# Allegro board SDHCalFEB20180110.brd (continued)
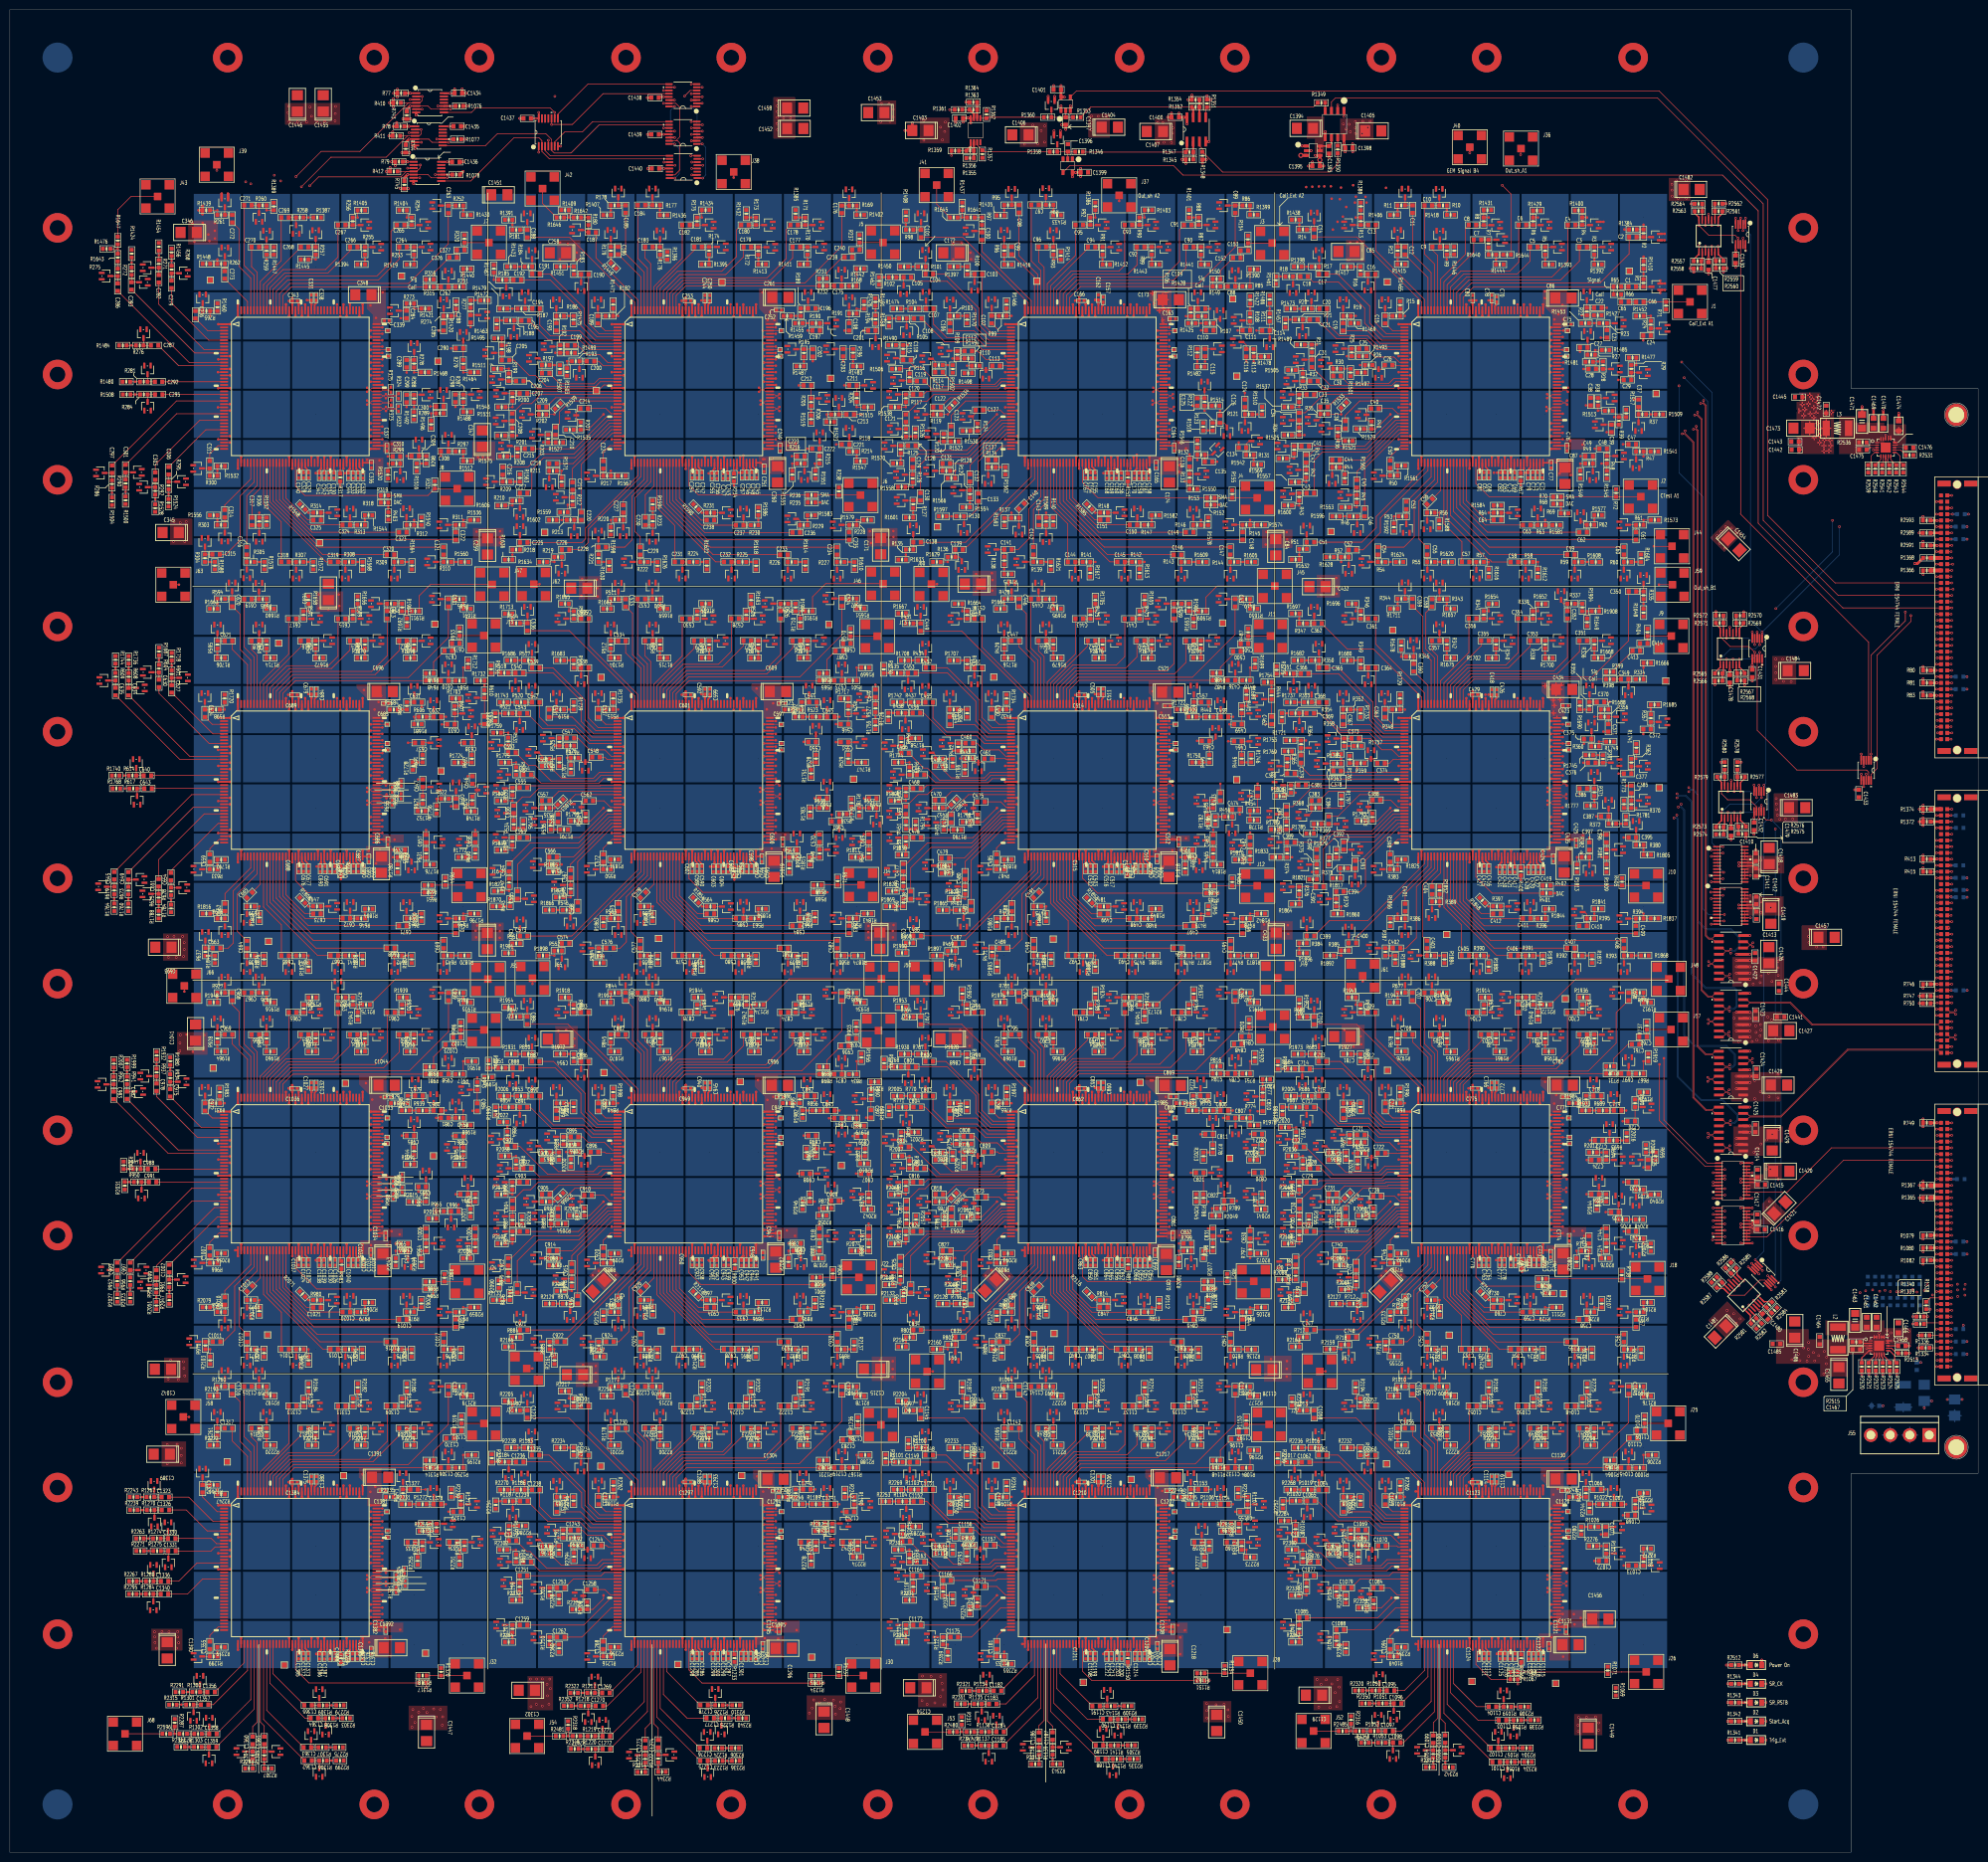
[diagram p0: board, top side]
## Routing (per net, layer and track width the routed paths; a pad name or vN(x,y) marks a point on that pad's centre or on a via; arc(x,y) is an arc through that point) (continued)
  GND3 w0.127: v3(172.2,142.2) v2(172.2,141.46)
GEM_OUT_K30: length 3.4
  TOP w0.127: R2034.2 111.66,142.2 v1(110.73,142.2) 109.78,142.2 R863.1
  GND1 w0.127: v2(111.46,142.2) v1(110.73,142.2)
  GND3 w0.127: v3(112.2,142.2) v2(111.46,142.2)
GEM_OUT_K31: length 45.6
  TOP w0.127: R2022.2 101.15,147.44 v1(101.17,147.42) R864.1
  GND1 w0.127: v2(101.17,146.69) v1(101.17,147.42)
  SIG3 w0.127: v2(101.17,146.69) 118.9,146.69 122.81,142.77 133.55,142.77 134.13,142.2 v2(141.46,142.2)
  GND3 w0.127: v3(142.2,142.2) v2(141.46,142.2)
GEM_OUT_K32: length 3.9
  TOP w0.127: R2038.2 101.46,141.46 v1(102.94,141.46) 102.94,140.51 R865.1
  GND1 w0.127: v2(102.2,141.46) v1(102.94,141.46)
  GND3 w0.127: v3(102.2,142.2) v2(102.2,141.46)
GEM_OUT_K33: length 3.9
  TOP w0.127: R2070.2 100.71,133.67 v1(102.2,133.67) 102.2,134.61 R866.1
  GND1 w0.127: v2(102.2,132.94) v1(102.2,133.67)
  GND3 w0.127: v3(102.2,132.2) v2(102.2,132.94)
GEM_OUT_K34: length 32.8
  TOP w0.127: R867.1 v1(103.17,127.69) 104.14,127.69 R2058.2
  GND1 w0.127: v1(103.17,127.69) v2(103.91,127.69)
  SIG3 w0.127: v2(131.46,132.2) 124.05,132.2 119.54,127.69 v2(103.91,127.69)
  GND3 w0.127: v3(132.2,132.2) v2(131.46,132.2)
GEM_OUT_K35: length 3.4
  TOP w0.127: R868.1 109.78,132.2 v1(110.73,132.2) 110.74,132.2 R2066.2
  GND1 w0.127: v2(111.46,132.2) v1(110.73,132.2)
  GND3 w0.127: v3(112.2,132.2) v2(111.46,132.2)
GEM_OUT_K36: length 36.9
  TOP w0.127: R2054.2 109.99,127.71 R869.1 v1(109.98,126.75)
  GND1 w0.127: v2(110.72,126.75) v1(109.98,126.75)
  SIG3 w0.127: v2(110.72,126.75) 120.3,126.75 123.65,130.1 139.36,130.1 v2(141.46,132.2)
  GND3 w0.127: v3(142.2,132.2) v2(141.46,132.2)
GEM_OUT_K37: length 4
  TOP w0.127: R2042.2 173.67,130.68 v1(173.67,132.2) 174.64,132.2 R870.1
  GND1 w0.127: v2(172.94,132.2) v1(173.67,132.2)
  GND3 w0.127: v3(172.2,132.2) v2(172.94,132.2)
GEM_OUT_K38: length 4
  TOP w0.127: v1(163.67,132.2) 162.7,132.2 R871.1 R2046.2
  GND1 w0.127: v2(162.94,132.2) v1(163.67,132.2)
  GND3 w0.127: v3(162.2,132.2) v2(162.94,132.2)
GEM_OUT_K39: length 17.3
  TOP w0.127: R872.1 v1(164.54,130.89) 164.54,129.39 R2050.2
  GND1 w0.127: v1(164.54,130.89) v2(164.54,131.62)
  SIG3 w0.127: v2(151.46,132.2) 154.26,132.2 154.84,131.62 v2(164.54,131.62)
  GND3 w0.127: v3(152.2,132.2) v2(151.46,132.2)
GEM_OUT_K40: length 6.6
  TOP w0.127: v1(120.73,132.2) 117.9,129.37 R873.1
  GND1 w0.127: v2(121.46,132.2) v1(120.73,132.2)
  GND3 w0.127: v3(122.2,132.2) v2(121.46,132.2)
GEM_OUT_K41: length 3.9
  TOP w0.127: R874.1 102.2,124.61 v1(102.2,123.67) 100.72,123.67 R2102.2
  GND1 w0.127: v2(102.2,122.94) v1(102.2,123.67)
  GND3 w0.127: v3(102.2,122.2) v2(102.2,122.94)
GEM_OUT_K42: length 36.6
  TOP w0.127: R2090.2 99.45,116.18 v1(100.41,116.18) R875.1
  GND1 w0.127: v2(101.14,116.18) v1(100.41,116.18)
  SIG3 w0.127: v2(132.2,121.46) 126.92,116.18 v2(101.14,116.18)
  GND3 w0.127: v3(132.2,122.2) v2(132.2,121.46)
GEM_OUT_K43: length 3.4
  TOP w0.127: R876.1 101.66,112.2 v1(100.73,112.2) 99.78,112.2 R2133.2
  GND1 w0.127: v2(101.46,112.2) v1(100.73,112.2)
  GND3 w0.127: v3(102.2,112.2) v2(101.46,112.2)
GEM_OUT_K44: length 3.9
  TOP w0.127: v1(112.2,120.73) 111.24,120.73 R877.1 111.23,119.24 R2098.2
  GND1 w0.127: v2(112.2,121.46) v1(112.2,120.73)
  GND3 w0.127: v3(112.2,122.2) v2(112.2,121.46)
GEM_OUT_K45: length 34.6
  TOP w0.127: R878.1 v1(114.27,114.05) 112.79,114.05 R2086.2
  GND1 w0.127: v2(114.27,114.78) v1(114.27,114.05)
  SIG3 w0.127: v2(114.27,114.78) 135.52,114.78 v2(142.2,121.46)
  GND3 w0.127: v3(142.2,122.2) v2(142.2,121.46)
GEM_OUT_K46: length 3.4
  TOP w0.127: R879.1 v1(111.46,111.46) 110.5,111.46 R2129.2
  GND1 w0.127: v2(112.2,111.46) v1(111.46,111.46)
  GND3 w0.127: v3(112.2,112.2) v2(112.2,111.46)
GEM_OUT_K47: length 3.4
  TOP w0.127: R2074.2 172.71,122.2 v1(173.67,122.2) 174.64,122.2 R880.1
  GND1 w0.127: v2(172.94,122.2) v1(173.67,122.2)
  GND3 w0.127: v3(172.2,122.2) v2(172.94,122.2)
GEM_OUT_K48: length 3.9
  TOP w0.127: R881.1 v1(163.67,122.2) 163.67,120.7 R2078.2
  GND1 w0.127: v2(162.94,122.2) v1(163.67,122.2)
  GND3 w0.127: v3(162.2,122.2) v2(162.94,122.2)
GEM_OUT_K49: length 8.6
  TOP w0.127: R882.1 159.3,122.2 v1(158.34,122.2) 158.34,120.71 R2082.2
  GND1 w0.127: v2(157.61,122.2) v1(158.34,122.2)
  SIG3 w0.127: v2(152.94,122.2) v2(157.61,122.2)
  GND3 w0.127: v3(152.2,122.2) v2(152.94,122.2)
GEM_OUT_K50: length 3.4
  TOP w0.127: R883.1 v1(122.2,120.73) 122.2,121.67 R2094.2
  GND1 w0.127: v2(122.2,121.46) v1(122.2,120.73)
  GND3 w0.127: v3(122.2,122.2) v2(122.2,121.46)
GEM_OUT_K51: length 3.4
  TOP w0.127: R2165.2 102.2,102.72 v1(102.2,103.67) 102.2,104.62 R884.1
  GND1 w0.127: v2(102.2,102.94) v1(102.2,103.67)
  GND3 w0.127: v3(102.2,102.2) v2(102.2,102.94)
GEM_OUT_K52: length 3.9
  TOP w0.127: R885.1 109.78,102.2 v1(110.73,102.2) 110.73,100.73 R2161.2
  GND1 w0.127: v2(111.46,102.2) v1(110.73,102.2)
  GND3 w0.127: v3(112.2,102.2) v2(111.46,102.2)
GEM_OUT_K53: length 3.9
  TOP w0.127: R2125.2 120.7,109.76 R886.1 v1(122.2,110.73)
  GND1 w0.127: v2(122.2,111.46) v1(122.2,110.73)
  GND3 w0.127: v3(122.2,112.2) v2(122.2,111.46)
GEM_OUT_K54: length 3.9
  TOP w0.127: R2157.2 120.73,100.72 v1(120.73,102.2) 119.76,102.2 R887.1
  GND1 w0.127: v2(121.46,102.2) v1(120.73,102.2)
  GND3 w0.127: v3(122.2,102.2) v2(121.46,102.2)
GEM_OUT_K55: length 3.4
  TOP w0.127: R2153.2 131.69,102.2 v1(130.73,102.2) 129.77,102.2 R888.1
  GND1 w0.127: v2(131.46,102.2) v1(130.73,102.2)
  GND3 w0.127: v3(132.2,102.2) v2(131.46,102.2)
GEM_OUT_K56: length 3.9
  TOP w0.127: R2121.2 130.73,110.73 v1(130.73,112.2) 129.78,112.2 R889.1
  GND1 w0.127: v2(131.46,112.2) v1(130.73,112.2)
  GND3 w0.127: v3(132.2,112.2) v2(131.46,112.2)
GEM_OUT_K57: length 3.9
  TOP w0.127: R890.1 v1(140.73,102.2) 140.73,100.73 R2149.2
  GND1 w0.127: v2(141.46,102.2) v1(140.73,102.2)
  GND3 w0.127: v3(142.2,102.2) v2(141.46,102.2)
GEM_OUT_K58: length 3.4
  TOP w0.127: R2145.2 151.68,102.2 v1(150.73,102.2) R891.1
  GND1 w0.127: v2(151.46,102.2) v1(150.73,102.2)
  GND3 w0.127: v3(152.2,102.2) v2(151.46,102.2)
GEM_OUT_K59: length 3.4
  TOP w0.127: R892.1 v1(160.73,102.2) 161.69,102.2 R2141.2
  GND1 w0.127: v2(161.46,102.2) v1(160.73,102.2)
  GND3 w0.127: v3(162.2,102.2) v2(161.46,102.2)
GEM_OUT_K60: length 3.4
  TOP w0.127: R2137.2 v1(170.73,102.2) R893.1
  GND1 w0.127: v2(171.46,102.2) v1(170.73,102.2)
  GND3 w0.127: v3(172.2,102.2) v2(171.46,102.2)
GEM_OUT_K61: length 3.9
  TOP w0.127: R894.1 172.2,109.78 v1(172.2,110.73) 173.66,110.73 R2106.2
  GND1 w0.127: v2(172.2,111.46) v1(172.2,110.73)
  GND3 w0.127: v3(172.2,112.2) v2(172.2,111.46)
GEM_OUT_K62: length 3.9
  TOP w0.127: R895.1 162.2,109.77 v1(162.2,110.73) 163.7,110.73 R2109.2
  GND1 w0.127: v2(162.2,111.46) v1(162.2,110.73)
  GND3 w0.127: v3(162.2,112.2) v2(162.2,111.46)
GEM_OUT_K63: length 3.4
  TOP w0.127: R896.1 152.2,109.77 v1(152.2,110.73) 152.2,111.69 R2113.2
  GND1 w0.127: v2(152.2,111.46) v1(152.2,110.73)
  GND3 w0.127: v3(152.2,112.2) v2(152.2,111.46)
GEM_OUT_K64: length 3.4
  TOP w0.127: R897.1 v1(140.73,112.2) 140.73,112.21 R2117.2
  GND1 w0.127: v2(141.46,112.2) v1(140.73,112.2)
  GND3 w0.127: v3(142.2,112.2) v2(141.46,112.2)
GEM_OUT_L1: length 5.1
  TOP w0.127: R917.1 92.2,158.12 v1(92.2,160.73) 93.16,160.73 R1951.2
  GND1 w0.127: v2(92.2,161.46) v1(92.2,160.73)
  GND3 w0.127: v3(92.2,162.2) v2(92.2,161.46)
GEM_OUT_L2: length 3.4
  TOP w0.127: R918.1 92.2,174.61 v1(92.2,173.67) 92.2,172.7 R1935.2
  GND1 w0.127: v2(92.2,172.94) v1(92.2,173.67)
  GND3 w0.127: v3(92.2,172.2) v2(92.2,172.94)
GEM_OUT_L3: length 3.4
  TOP w0.127: R1955.2 82.2,162.72 v1(82.2,163.67) 82.2,164.62 R919.1
  GND1 w0.127: v2(82.2,162.94) v1(82.2,163.67)
  GND3 w0.127: v3(82.2,162.2) v2(82.2,162.94)
GEM_OUT_L4: length 4
  TOP w0.127: R920.1 79.76,172.2 v1(80.73,172.2) 80.73,173.71 R1939.2
  GND1 w0.127: v2(81.46,172.2) v1(80.73,172.2)
  GND3 w0.127: v3(82.2,172.2) v2(81.46,172.2)
GEM_OUT_L5: length 3.4
  TOP w0.127: R921.1 72.2,164.61 v1(72.2,163.67) 72.2,162.72 R1921.2
  GND1 w0.127: v2(72.2,162.94) v1(72.2,163.67)
  GND3 w0.127: v3(72.2,162.2) v2(72.2,162.94)
GEM_OUT_L6: length 1.5
  TOP w0.127: R2171.1 R922.1
GEM_OUT_L7: length 3.4
  TOP w0.127: R923.1 62.2,164.65 v1(62.2,163.67) 62.2,162.73 R1977.2
  GND1 w0.127: v2(62.2,162.94) v1(62.2,163.67)
  GND3 w0.127: v3(62.2,162.2) v2(62.2,162.94)
GEM_OUT_L8: length 3.9
  TOP w0.127: R924.1 59.77,172.2 v1(60.73,172.2) 60.73,173.71 R1925.2
  GND1 w0.127: v2(61.46,172.2) v1(60.73,172.2)
  GND3 w0.127: v3(62.2,172.2) v2(61.46,172.2)
GEM_OUT_L9: length 3.4
  TOP w0.127: R1960.2 52.2,162.72 v1(52.2,163.67) 52.2,164.62 R925.1
  GND1 w0.127: v2(52.2,162.94) v1(52.2,163.67)
  GND3 w0.127: v3(52.2,162.2) v2(52.2,162.94)
GEM_OUT_L10: length 3.4
  TOP w0.127: R926.1 52.2,174.64 v1(52.2,173.67) 52.2,172.7 R1916.2
  GND1 w0.127: v2(52.2,172.94) v1(52.2,173.67)
  GND3 w0.127: v3(52.2,172.2) v2(52.2,172.94)
GEM_OUT_L11: length 3.4
  TOP w0.127: R927.1 42.2,174.62 v1(42.2,173.67) 42.2,172.71 R1948.2
  GND1 w0.127: v2(42.2,172.94) v1(42.2,173.67)
  GND3 w0.127: v3(42.2,172.2) v2(42.2,172.94)
GEM_OUT_L12: length 3.4
  TOP w0.127: R1964.2 42.2,162.71 v1(42.2,163.67) 42.2,164.61 R928.1
  GND1 w0.127: v2(42.2,162.94) v1(42.2,163.67)
  GND3 w0.127: v3(42.2,162.2) v2(42.2,162.94)
GEM_OUT_L15: length 3.9
  TOP w0.127: R1983.2 42.7,152.21 R931.1 42.72,152.2 v1(43.67,152.2)
  GND1 w0.127: v2(42.94,152.2) v1(43.67,152.2)
  GND3 w0.127: v3(42.2,152.2) v2(42.94,152.2)
GEM_OUT_L18: length 25.2
  TOP w0.127: R1980.2 32.61,159.98 v1(32.61,159.03) R934.1
  GND1 w0.127: v2(32.61,158.29) v1(32.61,159.03)
  SIG3 w0.127: v2(32.61,158.29) 37.97,152.94 v2(52.2,152.94)
  GND3 w0.127: v3(52.2,152.2) v2(52.2,152.94)
GEM_OUT_L21: length 39
  TOP w0.127: R1932.2 v1(29.84,160.17) R937.1
  GND1 w0.127: v2(29.84,159.44) v1(29.84,160.17)
  SIG3 w0.127: v2(29.84,159.44) 37.82,151.46 v2(62.2,151.46)
  GND3 w0.127: v3(62.2,152.2) v2(62.2,151.46)
GEM_OUT_L22: length 9.7
  TOP w0.127: R1929.2 79.02,152.2 v1(79.96,152.2) 80.92,152.2 R938.1
  GND1 w0.127: v2(79.22,152.2) v1(79.96,152.2)
  SIG3 w0.127: v2(72.94,152.2) v2(79.22,152.2)
  GND3 w0.127: v3(72.2,152.2) v2(72.94,152.2)
GEM_OUT_L23: length 3.4
  TOP w0.127: R1971.2 81.24,150.73 v1(82.2,150.73) 83.16,150.73 R939.1
  GND1 w0.127: v2(82.2,151.46) v1(82.2,150.73)
  GND3 w0.127: v3(82.2,152.2) v2(82.2,151.46)
GEM_OUT_L24: length 4.5
  TOP w0.127: R1968.2 92.19,147.72 R940.1 92.19,149.82 92.2,149.83 v1(92.2,150.73)
  GND1 w0.127: v2(92.2,151.46) v1(92.2,150.73)
  GND3 w0.127: v3(92.2,152.2) v2(92.2,151.46)
GEM_OUT_L25: length 47.5
  TOP w0.127: R941.1 v1(23.83,158.55) 23.83,159.5 R1999.2
  GND1 w0.127: v2(23.83,157.81) v1(23.83,158.55)
  SIG3 w0.127: v2(60.97,142.2) 54.9,142.2 54.33,142.78 38.86,142.78 v2(23.83,157.81)
  GND3 w0.127: v3(62.2,142.2) v2(60.97,142.2)
GEM_OUT_L26: length 30.2
  TOP w0.127: R942.1 v1(21.13,158.52) 21.13,159.47 R2007.2
  GND1 w0.127: v2(21.13,157.78) v1(21.13,158.52)
  SIG3 w0.127: v2(21.13,157.78) 36.72,142.2 v2(41.46,142.2)
  GND3 w0.127: v3(42.2,142.2) v2(41.46,142.2)
GEM_OUT_L27: length 35.7
  TOP w0.127: R943.1 v1(95.05,157.45)
  GND1 w0.127: v1(95.05,157.45) v2(95.05,156.72)
  SIG3 w0.127: v2(95.05,156.72) 95.05,150.52 91.19,146.66 88.54,146.66 85.85,143.97 74.47,143.97 72.71,142.2 v2(71.46,142.2)
  GND3 w0.127: v3(72.2,142.2) v2(71.46,142.2)
GEM_OUT_L28: length 3.4
  TOP w0.127: R944.1 82.2,141.68 v1(82.2,140.73) 82.2,139.78 R1991.2
  GND1 w0.127: v2(82.2,141.46) v1(82.2,140.73)
  GND3 w0.127: v3(82.2,142.2) v2(82.2,141.46)
GEM_OUT_L29: length 3.4
  TOP w0.127: R1987.2 92.2,139.77 v1(92.2,140.73) 92.2,141.69 R945.1
  GND1 w0.127: v2(92.2,141.46) v1(92.2,140.73)
  GND3 w0.127: v3(92.2,142.2) v2(92.2,141.46)
GEM_OUT_L31: length 31.4
  TOP w0.127: R947.1 v1(24.1,138.84) 23.15,138.84 R2003.2
  GND1 w0.127: v2(24.84,138.84) v1(24.1,138.84)
  SIG3 w0.127: v2(24.84,138.84) 39.62,138.84 42.99,142.2 v2(51.46,142.2)
  GND3 w0.127: v3(52.2,142.2) v2(51.46,142.2)
GEM_OUT_L34: length 21.4
  TOP w0.127: R950.1 v1(24.31,136.19) 23.37,136.19 R2031.2
  GND1 w0.127: v2(25.04,136.19) v1(24.31,136.19)
  SIG3 w0.127: v2(25.04,136.19) 29.04,132.2 v2(41.24,132.2)
  GND3 w0.127: v3(42.2,132.2) v2(41.24,132.2)
GEM_OUT_L36: length 40.5
  TOP w0.127: R2027.2 21.84,113.37 v1(21.84,114.33) R952.1
  GND1 w0.127: v2(21.84,115.06) v1(21.84,114.33)
  SIG3 w0.127: v2(21.84,115.06) 38.25,131.46 v2(52.2,131.46)
  GND3 w0.127: v3(52.2,132.2) v2(52.2,131.46)
GEM_OUT_L37: length 4
  TOP w0.127: R2011.2 93.67,130.69 v1(93.67,132.2) 94.63,132.2 R953.1
  GND1 w0.127: v2(92.94,132.2) v1(93.67,132.2)
  GND3 w0.127: v3(92.2,132.2) v2(92.94,132.2)
GEM_OUT_L38: length 3.4
  TOP w0.127: R2015.2 82.73,132.2 v1(83.67,132.2) 84.62,132.2 R954.1
  GND1 w0.127: v2(82.94,132.2) v1(83.67,132.2)
  GND3 w0.127: v3(82.2,132.2) v2(82.94,132.2)
GEM_OUT_L39: length 19.1
  TOP w0.127: R2019.2 86.7,130.25 R955.1 v1(86.69,131.6)
  GND1 w0.127: v2(85.95,131.6) v1(86.69,131.6)
  SIG3 w0.127: v2(71.46,132.2) 72.07,131.6 v2(85.95,131.6)
  GND3 w0.127: v3(72.2,132.2) v2(71.46,132.2)
GEM_OUT_L40: length 47.9
  TOP w0.127: R956.1 v1(24.48,114.33) 24.48,113.37 R2023.2
  GND1 w0.127: v2(24.48,115.06) v1(24.48,114.33)
  SIG3 w0.127: v2(62.2,131.46) 60.1,129.36 38.78,129.36 v2(24.48,115.06)
  GND3 w0.127: v3(62.2,132.2) v2(62.2,131.46)
GEM_OUT_L42: length 28.6
  TOP w0.127: R2051.2 29.79,111.85 v1(29.79,112.8) R958.1
  GND1 w0.127: v2(29.79,113.54) v1(29.79,112.8)
  SIG3 w0.127: v2(51.46,122.2) 38.45,122.2 v2(29.79,113.54)
  GND3 w0.127: v3(52.2,122.2) v2(51.46,122.2)
GEM_OUT_L45: length 36
  TOP w0.127: R2047.2 32.43,112.94 v1(32.43,113.89) R961.1
  GND1 w0.127: v2(32.43,114.63) v1(32.43,113.89)
  SIG3 w0.127: v2(62.2,121.46) 55.37,114.63 v2(32.43,114.63)
  GND3 w0.127: v3(62.2,122.2) v2(62.2,121.46)
GEM_OUT_L47: length 3.9
  TOP w0.127: R963.1 v1(93.67,122.2) 93.67,120.72 R2035.2
  GND1 w0.127: v2(92.94,122.2) v1(93.67,122.2)
  GND3 w0.127: v3(92.2,122.2) v2(92.94,122.2)
GEM_OUT_L48: length 3.9
  TOP w0.127: R964.1 84.65,122.2 v1(83.67,122.2) 83.67,120.72 R2039.2
  GND1 w0.127: v2(82.94,122.2) v1(83.67,122.2)
  GND3 w0.127: v3(82.2,122.2) v2(82.94,122.2)
GEM_OUT_L49: length 8.7
  TOP w0.127: R965.1 79.42,122.2 v1(78.46,122.2) 78.46,120.71 R2043.2
  GND1 w0.127: v2(77.72,122.2) v1(78.46,122.2)
  SIG3 w0.127: v2(72.94,122.2) v2(77.72,122.2)
  GND3 w0.127: v3(72.2,122.2) v2(72.94,122.2)
GEM_OUT_L50: length 3.4
  TOP w0.127: R2055.2 42.2,121.68 v1(42.2,120.73) 42.2,119.76 R966.1
  GND1 w0.127: v2(42.2,121.46) v1(42.2,120.73)
  GND3 w0.127: v3(42.2,122.2) v2(42.2,121.46)
GEM_OUT_L53: length 3.9
  TOP w0.127: R2079.2 40.7,110.73 v1(42.2,110.73) 42.2,109.77 R969.1
  GND1 w0.127: v2(42.2,111.46) v1(42.2,110.73)
  GND3 w0.127: v3(42.2,112.2) v2(42.2,111.46)
GEM_OUT_L54: length 3.9
  TOP w0.127: R2103.2 40.73,100.73 v1(40.73,102.2) 39.78,102.2 R970.1
  GND1 w0.127: v2(41.46,102.2) v1(40.73,102.2)
  GND3 w0.127: v3(42.2,102.2) v2(41.46,102.2)
GEM_OUT_L55: length 3.4
  TOP w0.127: R971.1 49.76,102.2 v1(50.73,102.2) 51.68,102.2 R2099.2
  GND1 w0.127: v2(51.46,102.2) v1(50.73,102.2)
  GND3 w0.127: v3(52.2,102.2) v2(51.46,102.2)
GEM_OUT_L56: length 3.9
  TOP w0.127: R972.1 49.77,112.2 v1(50.73,112.2) 50.73,110.71 R2075.2
  GND1 w0.127: v2(51.46,112.2) v1(50.73,112.2)
  GND3 w0.127: v3(52.2,112.2) v2(51.46,112.2)
GEM_OUT_L57: length 3
  TOP w0.127: R2095.2 60.73,100.72 v1(60.73,102.2)
  GND1 w0.127: v2(61.46,102.2) v1(60.73,102.2)
  GND3 w0.127: v3(62.2,102.2) v2(61.46,102.2)
GEM_OUT_L58: length 3.4
  TOP w0.127: R2091.2 71.67,102.2 v1(70.73,102.2) 69.75,102.2 R974.1
  GND1 w0.127: v2(71.46,102.2) v1(70.73,102.2)
  GND3 w0.127: v3(72.2,102.2) v2(71.46,102.2)
GEM_OUT_L59: length 3.4
  TOP w0.127: R2087.2 81.68,102.2 v1(80.73,102.2) R975.1
  GND1 w0.127: v2(81.46,102.2) v1(80.73,102.2)
  GND3 w0.127: v3(82.2,102.2) v2(81.46,102.2)
GEM_OUT_L60: length 3.4
  TOP w0.127: R976.1 v1(90.73,102.2) 91.68,102.2 R2083.2
  GND1 w0.127: v2(91.46,102.2) v1(90.73,102.2)
  GND3 w0.127: v3(92.2,102.2) v2(91.46,102.2)
GEM_OUT_L61: length 3.9
  TOP w0.127: R2059.2 93.68,110.73 v1(92.2,110.73) 92.2,109.77 R977.1
  GND1 w0.127: v2(92.2,111.46) v1(92.2,110.73)
  GND3 w0.127: v3(92.2,112.2) v2(92.2,111.46)
GEM_OUT_L62: length 3.9
  TOP w0.127: R2063.2 83.69,110.73 v1(82.2,110.73) 82.2,109.78 R978.1
  GND1 w0.127: v2(82.2,111.46) v1(82.2,110.73)
  GND3 w0.127: v3(82.2,112.2) v2(82.2,111.46)
GEM_OUT_L63: length 3.4
  TOP w0.127: R2067.2 72.2,111.7 v1(72.2,110.73) 72.2,109.78 R979.1
  GND1 w0.127: v2(72.2,111.46) v1(72.2,110.73)
  GND3 w0.127: v3(72.2,112.2) v2(72.2,111.46)
GEM_OUT_L64: length 3.4
  TOP w0.127: R980.1 v1(60.73,112.2) 60.73,112.2 R2071.2
  GND1 w0.127: v2(61.46,112.2) v1(60.73,112.2)
  GND3 w0.127: v3(62.2,112.2) v2(61.46,112.2)
GEM_OUT_M1: length 5.1
  TOP w0.127: R1000.1 332.2,78.11 v1(332.2,80.73) 333.15,80.73 R2206.2
  GND1 w0.127: v2(332.2,81.46) v1(332.2,80.73)
  GND3 w0.127: v3(332.2,82.2) v2(332.2,81.46)
GEM_OUT_M2: length 2.4
  TOP w0.127: R1001.1 332.2,94.64 v1(332.2,93.67)
  GND1 w0.127: v2(332.2,92.94) v1(332.2,93.67)
  GND3 w0.127: v3(332.2,92.2) v2(332.2,92.94)
GEM_OUT_M3: length 3.4
  TOP w0.127: R1002.1 322.2,84.64 v1(322.2,83.67) 322.2,82.71 R2208.2
  GND1 w0.127: v2(322.2,82.94) v1(322.2,83.67)
  GND3 w0.127: v3(322.2,82.2) v2(322.2,82.94)
GEM_OUT_M4: length 3.9
  TOP w0.127: R2225.2 320.73,93.69 v1(320.73,92.2) 319.77,92.2 R1003.1
  GND1 w0.127: v2(321.46,92.2) v1(320.73,92.2)
  GND3 w0.127: v3(322.2,92.2) v2(321.46,92.2)
GEM_OUT_M5: length 3.4
  TOP w0.127: R1004.1 312.2,84.63 v1(312.2,83.67) 312.2,82.71 R2209.2
  GND1 w0.127: v2(312.2,82.94) v1(312.2,83.67)
  GND3 w0.127: v3(312.2,82.2) v2(312.2,82.94)
GEM_OUT_M6: length 3.9
  TOP w0.127: R2181.2 310.73,93.69 v1(310.73,92.2) 309.79,92.2 R1005.1
  GND1 w0.127: v2(311.46,92.2) v1(310.73,92.2)
  GND3 w0.127: v3(312.2,92.2) v2(311.46,92.2)
GEM_OUT_M7: length 3.4
  TOP w0.127: R1006.1 v1(302.2,83.67) 302.2,82.71 R2221.2
  GND1 w0.127: v2(302.2,82.94) v1(302.2,83.67)
  GND3 w0.127: v3(302.2,82.2) v2(302.2,82.94)
GEM_OUT_M8: length 3.9
  TOP w0.127: R1007.1 299.78,92.2 v1(300.73,92.2) 300.73,93.68 R2183.2
  GND1 w0.127: v2(301.46,92.2) v1(300.73,92.2)
  GND3 w0.127: v3(302.2,92.2) v2(301.46,92.2)
GEM_OUT_M9: length 3.4
  TOP w0.127: R2223.2 292.2,82.73 v1(292.2,83.67) 292.2,84.64 R1008.1
  GND1 w0.127: v2(292.2,82.94) v1(292.2,83.67)
  GND3 w0.127: v3(292.2,82.2) v2(292.2,82.94)
GEM_OUT_M10: length 3.4
  TOP w0.127: R2185.2 292.2,92.72 v1(292.2,93.67) 292.2,94.63 R1009.1
  GND1 w0.127: v2(292.2,92.94) v1(292.2,93.67)
  GND3 w0.127: v3(292.2,92.2) v2(292.2,92.94)
GEM_OUT_M11: length 3.4
  TOP w0.127: R2186.2 282.2,92.72 v1(282.2,93.67) 282.2,94.64 R1010.1
  GND1 w0.127: v2(282.2,92.94) v1(282.2,93.67)
  GND3 w0.127: v3(282.2,92.2) v2(282.2,92.94)
GEM_OUT_M12: length 3.4
  TOP w0.127: R2224.2 282.2,82.73 v1(282.2,83.67) 282.2,84.64 R1011.1
  GND1 w0.127: v2(282.2,82.94) v1(282.2,83.67)
  GND3 w0.127: v3(282.2,82.2) v2(282.2,82.94)
GEM_OUT_M13: length 3.9
  TOP w0.127: R2194.2 273.67,93.68 v1(273.67,92.2) 274.62,92.2 R1012.1
  GND1 w0.127: v2(272.94,92.2) v1(273.67,92.2)
  GND3 w0.127: v3(272.2,92.2) v2(272.94,92.2)
GEM_OUT_M14: length 3.9
  TOP w0.127: R1013.1 262.2,89.78 v1(262.2,90.73) 260.72,90.73 R2218.2
  GND1 w0.127: v2(262.2,91.46) v1(262.2,90.73)
  GND3 w0.127: v3(262.2,92.2) v2(262.2,91.46)
GEM_OUT_M15: length 3.9
  TOP w0.127: 282.73,72.2 R1014.1 ; 282.73,72.2 282.73,72.2 v1(283.67,72.2) ; 282.73,72.2 R2260.2
  GND1 w0.127: v2(282.94,72.2) v1(283.67,72.2)
  GND3 w0.127: v3(282.2,72.2) v2(282.94,72.2)
GEM_OUT_M16: length 3.4
  TOP w0.127: R1015.1 274.61,82.2 v1(273.67,82.2) 272.71,82.2 R2232.2
  GND1 w0.127: v2(272.94,82.2) v1(273.67,82.2)
  GND3 w0.127: v3(272.2,82.2) v2(272.94,82.2)
GEM_OUT_M17: length 3.4
  TOP w0.127: R2236.2 262.72,82.2 v1(263.67,82.2) 264.62,82.2 R1016.1
  GND1 w0.127: v2(262.94,82.2) v1(263.67,82.2)
  GND3 w0.127: v3(262.2,82.2) v2(262.94,82.2)
GEM_OUT_M18: length 38.7
  TOP w0.127: R1017.1 v1(258.78,79.25) 257.83,79.25 R2256.2
  GND1 w0.127: v2(259.51,79.25) v1(258.78,79.25)
  SIG3 w0.127: v2(292.2,72.94) 285.89,79.25 v2(259.51,79.25)
  GND3 w0.127: v3(292.2,72.2) v2(292.2,72.94)
GEM_OUT_M19: length 3.4
  TOP w0.127: R2264.2 274.61,72.2 v1(273.67,72.2) 272.72,72.2 R1018.1
  GND1 w0.127: v2(272.94,72.2) v1(273.67,72.2)
  GND3 w0.127: v3(272.2,72.2) v2(272.94,72.2)
GEM_OUT_M20: length 3.4
  TOP w0.127: R1019.1 263.14,73.67 v1(262.2,73.67) 261.25,73.67 R2268.2
  GND1 w0.127: v2(262.2,72.94) v1(262.2,73.67)
  GND3 w0.127: v3(262.2,72.2) v2(262.2,72.94)
GEM_OUT_M21: length 45
  TOP w0.127: R2252.2 258.88,71.4 v1(259.82,71.4) R1020.1
  GND1 w0.127: v1(259.82,71.4) v2(260.55,71.4)
  SIG3 w0.127: v2(260.55,71.4) 261.1,71.4 261.16,71.46 v2(302.2,71.46)
  GND3 w0.127: v3(302.2,72.2) v2(302.2,71.46)
GEM_OUT_M22: length 9.3
  TOP w0.127: R1021.1 320.49,72.2 v1(319.56,72.2) 318.61,72.2 R2248.2
  GND1 w0.127: v2(318.82,72.2) v1(319.56,72.2)
  SIG3 w0.127: v2(312.94,72.2) v2(318.82,72.2)
  GND3 w0.127: v3(312.2,72.2) v2(312.94,72.2)
GEM_OUT_M23: length 3.4
  TOP w0.127: R1022.1 323.16,70.73 v1(322.2,70.73) 321.23,70.73 R2244.2
  GND1 w0.127: v2(322.2,71.46) v1(322.2,70.73)
  GND3 w0.127: v3(322.2,72.2) v2(322.2,71.46)
GEM_OUT_M24: length 3.9
  TOP w0.127: R1023.1 330.51,71.46 v1(331.46,71.46) 331.46,72.97 R2240.2
  GND1 w0.127: v2(332.2,71.46) v1(331.46,71.46)
  GND3 w0.127: v3(332.2,72.2) v2(332.2,71.46)
GEM_OUT_M25: length 23.7
  TOP w0.127: R2288.2 272.68,63.93 R1024.1 v1(271.73,63.94)
  GND1 w0.127: v1(271.73,63.94) v2(272.47,63.94)
  SIG3 w0.127: v2(291.42,62.2) 282.48,62.2 280.74,63.94 v2(272.47,63.94)
  GND3 w0.127: v3(292.2,62.2) v2(291.42,62.2)
GEM_OUT_M26: length 11.9
  TOP w0.127: R2292.2 274.2,60.77 R1025.1 v1(273.25,62.26)
  GND1 w0.127: v1(273.25,62.26) v2(273.77,61.73)
  SIG3 w0.127: v2(273.77,61.73) 274.81,61.73 274.86,61.68 v2(281.68,61.68)
  GND3 w0.127: v3(282.2,62.2) v2(281.68,61.68)
GEM_OUT_M27: length 13.3
  TOP w0.127: R2280.2 v1(320.52,66.12) R1026.1
  GND1 w0.127: v2(319.79,66.12) v1(320.52,66.12)
  SIG3 w0.127: v2(311.46,62.2) 313.91,64.64 318.31,64.64 v2(319.79,66.12)
  GND3 w0.127: v3(312.2,62.2) v2(311.46,62.2)
GEM_OUT_M28: length 3.4
  TOP w0.127: R2276.2 322.71,62.2 v1(323.67,62.2) 324.62,62.2 R1027.1
  GND1 w0.127: v2(322.94,62.2) v1(323.67,62.2)
  GND3 w0.127: v3(322.2,62.2) v2(322.94,62.2)
GEM_OUT_M29: length 3.4
  TOP w0.127: R1028.1 332.2,59.78 v1(332.2,60.73) 332.2,61.68 R2272.2
  GND1 w0.127: v2(332.2,61.46) v1(332.2,60.73)
  GND3 w0.127: v3(332.2,62.2) v2(332.2,61.46)
GEM_OUT_M30: length 3.4
  TOP w0.127: R2296.2 271.7,62.2 v1(270.73,62.2) 269.78,62.2 R1029.1
  GND1 w0.127: v2(271.46,62.2) v1(270.73,62.2)
  GND3 w0.127: v3(272.2,62.2) v2(271.46,62.2)
GEM_OUT_M31: length 46.4
  TOP w0.127: R1030.1 v1(261.45,67.36) R2284.2
  GND1 w0.127: v2(261.45,66.62) v1(261.45,67.36)
  SIG3 w0.127: v2(261.45,66.62) 279.37,66.62 283.34,62.66 287.1,62.66 287.78,63.35 300.32,63.35 v2(301.46,62.2)
  GND3 w0.127: v3(302.2,62.2) v2(301.46,62.2)
GEM_OUT_M32: length 3.9
  TOP w0.127: R1031.1 262.94,60.52 v1(262.94,61.46) 261.45,61.46 R2300.2
  GND1 w0.127: v1(262.94,61.46) v2(262.2,61.46)
  GND3 w0.127: v3(262.2,62.2) v2(262.2,61.46)
GEM_OUT_M33: length 4
  TOP w0.127: R2330.2 262.13,52.2 v1(263.67,52.2) 263.67,53.16 R1032.1
  GND1 w0.127: v2(262.94,52.2) v1(263.67,52.2)
  GND3 w0.127: v3(262.2,52.2) v2(262.94,52.2)
GEM_OUT_M35: length 3.4
  TOP w0.127: R2326.2 271.68,52.2 v1(270.73,52.2) 269.77,52.2 R1034.1
  GND1 w0.127: v2(271.46,52.2) v1(270.73,52.2)
  GND3 w0.127: v3(272.2,52.2) v2(271.46,52.2)
GEM_OUT_M40: length 7.4
  TOP w0.127: v1(280.94,51.68) 278.92,49.66 R1039.1 R2323.2
  GND1 w0.127: v2(281.46,52.2) v1(280.94,51.68)
  GND3 w0.127: v3(282.2,52.2) v2(281.46,52.2)
GEM_OUT_M41: length 3.4
  TOP w0.127: R1040.1 262.2,44.62 v1(262.2,43.67) 262.2,42.73 R2362.2
  GND1 w0.127: v2(262.2,42.94) v1(262.2,43.67)
  GND3 w0.127: v3(262.2,42.2) v2(262.2,42.94)
GEM_OUT_M44: length 3.4
  TOP w0.127: R2358.2 271.67,42.2 v1(270.73,42.2) 269.78,42.2 R1043.1
  GND1 w0.127: v2(271.46,42.2) v1(270.73,42.2)
  GND3 w0.127: v3(272.2,42.2) v2(271.46,42.2)
GEM_OUT_M50: length 3.4
  TOP w0.127: R1049.1 282.2,39.77 v1(282.2,40.73) 282.2,41.68 R2354.2
  GND1 w0.127: v2(282.2,41.46) v1(282.2,40.73)
  GND3 w0.127: v3(282.2,42.2) v2(282.2,41.46)
GEM_OUT_M51: length 28.8
  TOP w0.127: R2320.2 275.09,32.85 v1(276.05,32.85) R1050.1
  GND1 w0.127: v1(276.05,32.85) v2(276.78,32.85)
  SIG3 w0.127: v2(276.78,32.85) 291.46,47.53 v2(291.46,52.2)
  GND3 w0.127: v3(292.2,52.2) v2(291.46,52.2)
GEM_OUT_M52: length 22.1
  TOP w0.127: R2350.2 276.46,30.23 v1(277.42,30.23) R1051.1
  GND1 w0.127: v2(278.16,30.23) v1(277.42,30.23)
  SIG3 w0.127: v2(278.16,30.23) 278.28,30.36 281.1,30.36 v2(292.2,41.46)
  GND3 w0.127: v3(292.2,42.2) v2(292.2,41.46)
GEM_OUT_M53: length 1.5
  TOP w0.127: R2484.1 275.22,24.62 R1052.1
GEM_OUT_M54: length 35.5
  TOP w0.127: R1053.1 v1(277.29,22.23) 276.34,22.23 R2346.2
  GND1 w0.127: v1(277.29,22.23) v2(278.03,22.23)
  SIG3 w0.127: v2(302.2,41.46) 282.97,22.23 v2(278.03,22.23)
  GND3 w0.127: v3(302.2,42.2) v2(302.2,41.46)
